# Altium PCB LPCB220R0.PcbDoc (part 3 of 4)
Units mm, origin at the board's own origin, x right, y up, seen from the top; angles counter-clockwise.
Board outline 259.35 x 183.7 mm, 4 copper layers (Top Layer, Internal Plane 1, Mid-Layer 1, Bottom Layer); 237 components, 229 nets, 1097 pads, 413 vias.
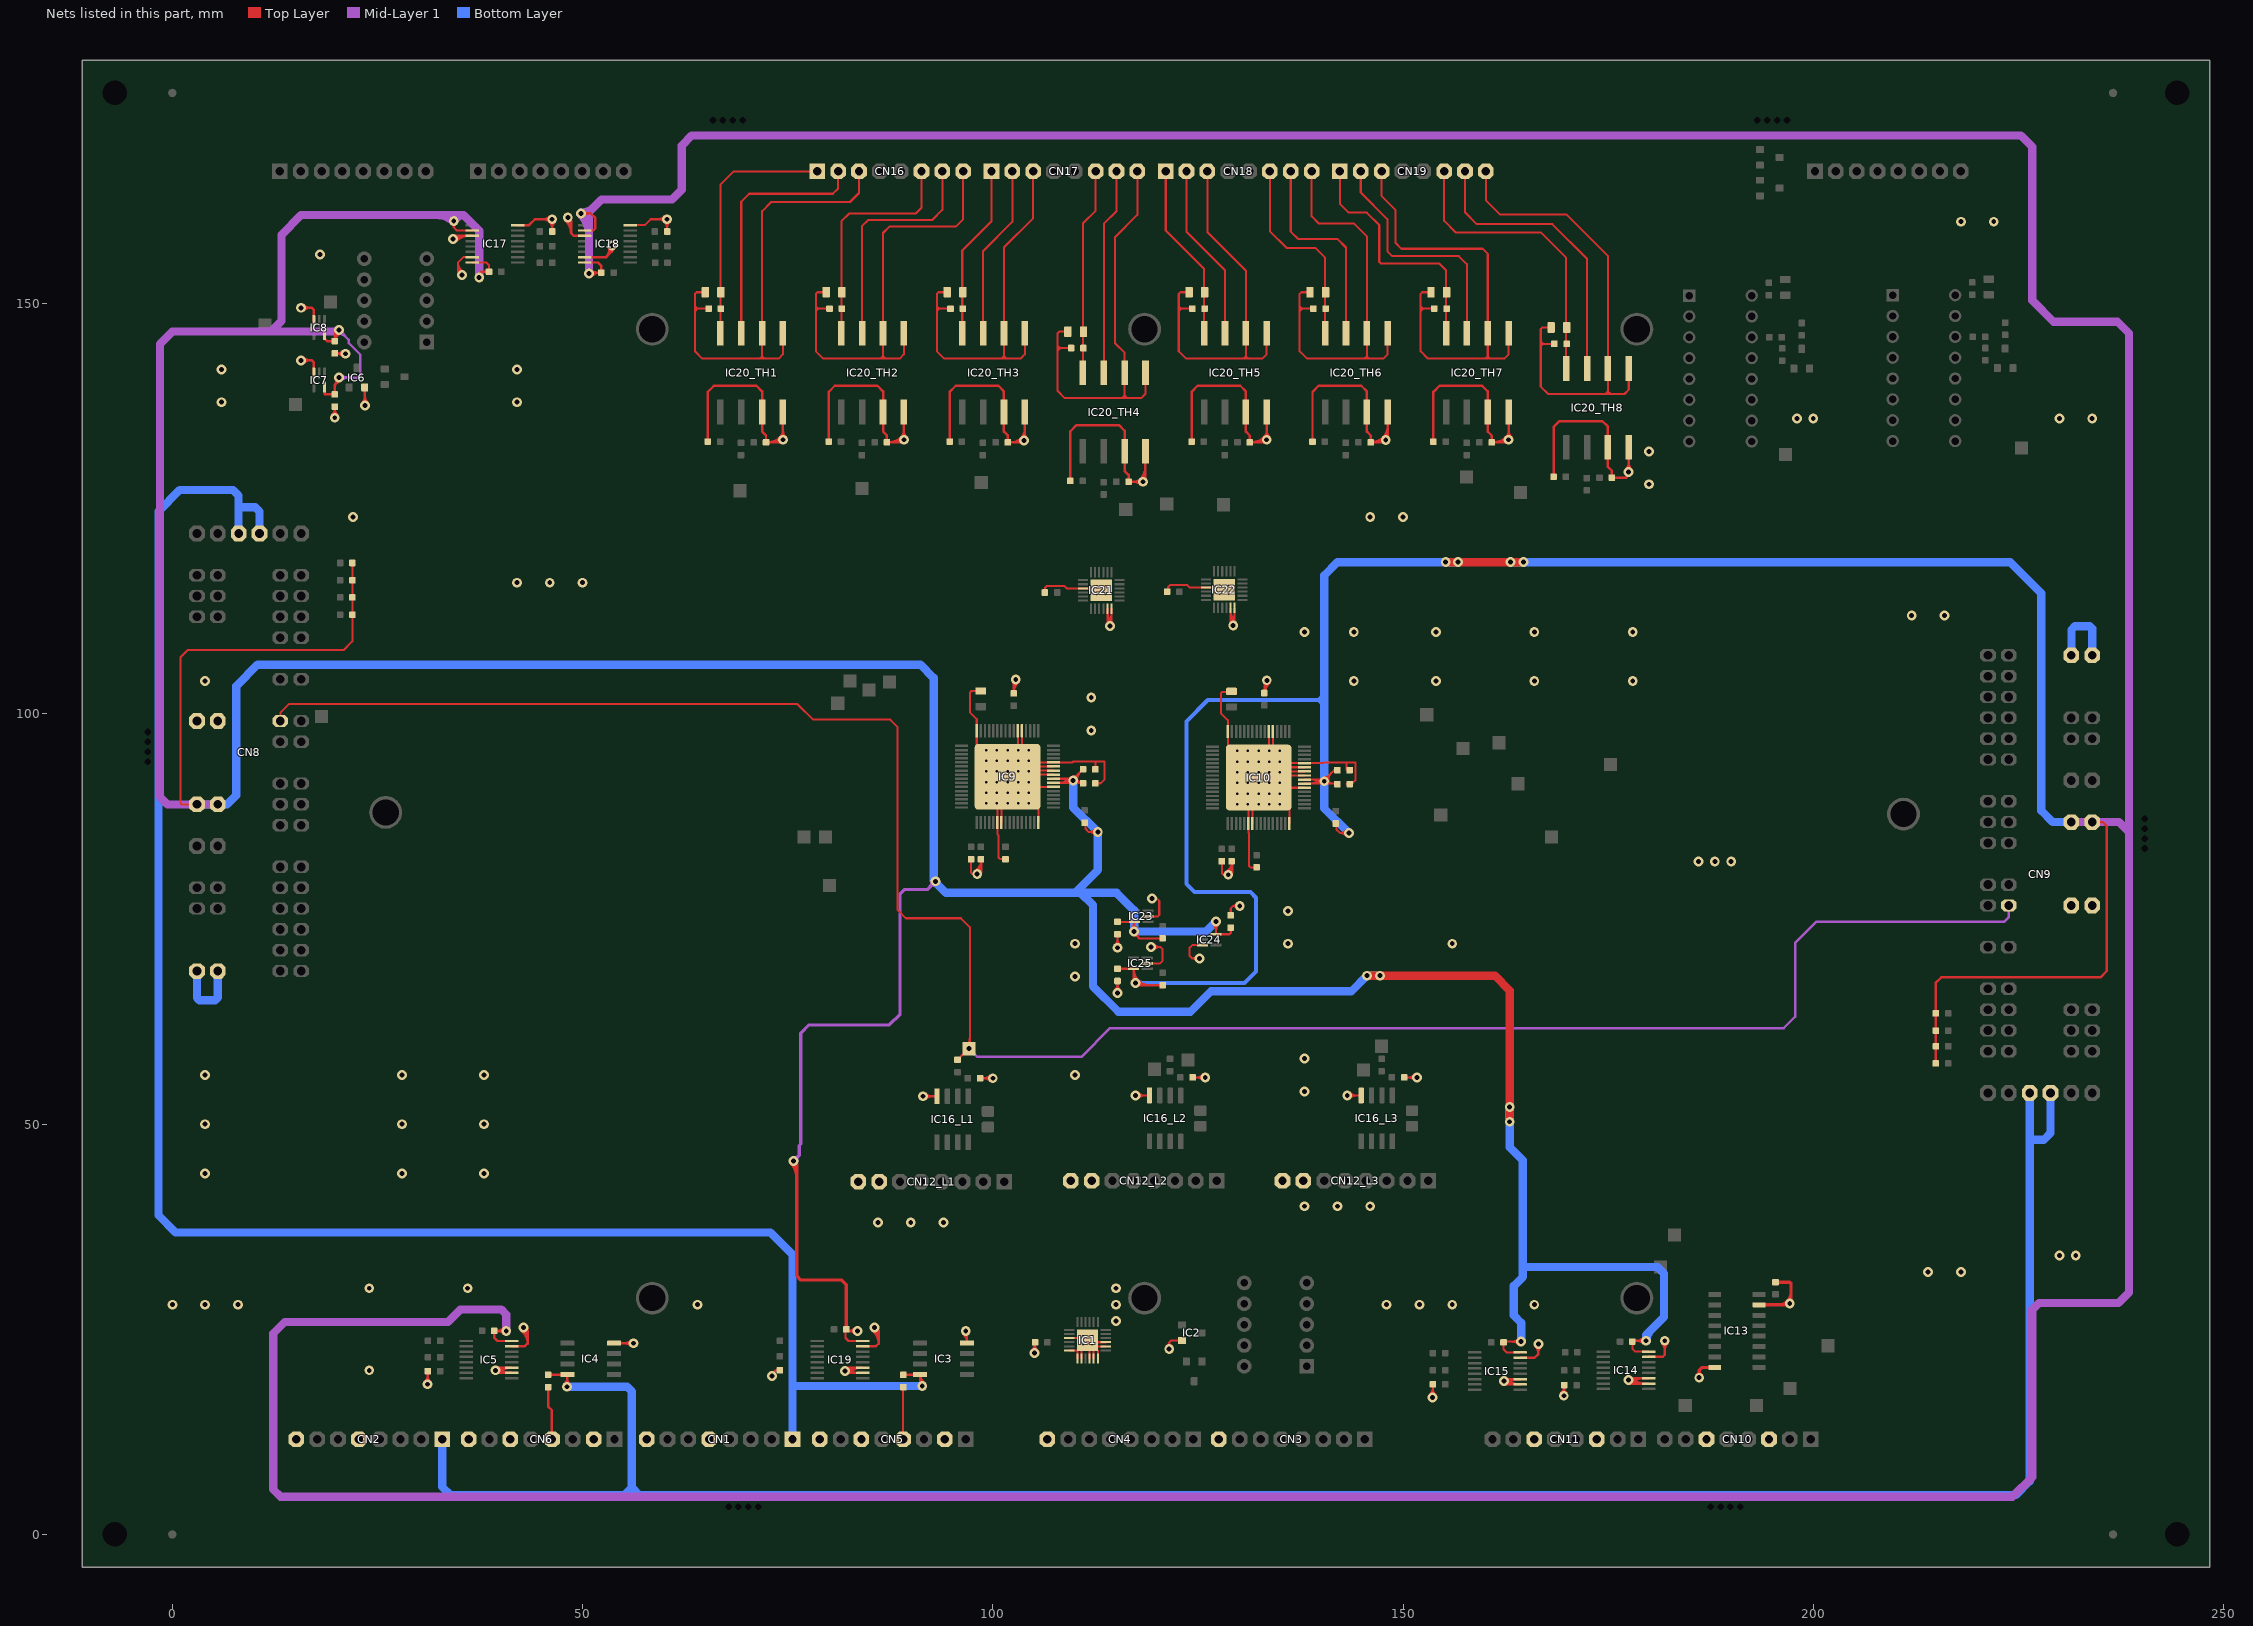
[diagram p5: the nets of this part, all layers, seen from the top]

## Via types
v1: diameter 1.2, hole 0.6, Top Layer to Bottom Layer, 341 vias
v2: diameter 0.6, hole 0.3, Top Layer to Bottom Layer, 60 vias
v3: diameter 0.5, hole 0.2, Top Layer to Bottom Layer, tented both sides, 12 vias

## Nets (pads, with @x,y where several pads share a name; then routed paths per layer and width w, separated by ;. In a path a pad name is that pad's centre, name@x,y a point inside that pad or via, vN(x,y) a via of type N, cw(c..) or ccw(c..) an arc to the next point about the centre after c; other vN are vias at no path point) (continued)
D3V3A: C2.1 C3.1 C14.1 C15.1 C28.1 C29.1 C37.1 C45.1 C54.1 C55.1 CN8.D3V31 CN8.D3V32 IC7.5 IC8.5 IC9.7 IC9.8 IC14.16 IC15.16 IC17.10 IC17.16 IC19.16 IC23.5 IC24.5 R1.2 R2.2 R3.2 R4.2 R10.2 R21.2 | length 687.3
  Top Layer w0.254: CN8.D3V31@3,88.98 1.12,88.98 1,89.1 1,106.9 1.9,107.8 20.9,107.8 21.95,108.85 R1.2@21.95,112.1 R2.2@21.95,114.2 R3.2@21.95,116.3 R4.2@21.95,118.4 ; v1@34.072,159.686 cw(c33.86,159.3) 34.3,159.3 ; v1(34.3,160.1) 34.3,159.3 ; v1@34.528,159.686 ccw(c34.74,159.3) 34.3,159.3 ; IC17.16@36.575,155.025 38.275,155.025 38.6,154.7 C37.1@38.6,153.9 37.6,153.9 37.4,153.7 v1(37.4,153.2) ; IC17.10@36.575,158.925 34.675,158.925 34.3,159.3 ; IC9.7@107.4,91.6 C14.1@110.95,91.6 ; IC9.8@107.4,92.1 109.85,92.1 C15.1@111,93.25 ; IC9.7@107.934,91.6 ccw(c107.934,93.766) 109.466,92.234 cw(c109.141,92.559) 109.141,92.1 ; IC9.8@108.175,92.1 cw(c108.175,90.275) v1@109.466,91.566 ; 108.547,91.6 ccw(c108.547,93.153) v1@109.645,92.055 ; 108.788,92.1 cw(c108.788,90.888) v1@109.645,91.745 ; 109.16,91.6 ccw(c109.16,92.54) v1@109.825,91.875 ; v1@109.8,92.373 ccw(c109.8,93.153) 110.352,92.601 ; v1@110.003,91.983 ccw(c110.572,92.215) 110.572,91.6 ; v1@110.019,91.9 cw(c110.91,91.9) 110.28,92.53 ; v1@110.238,92.079 ccw(c110.95,92.369) C14.1@110.95,91.6 ; v1@110.273,91.9 cw(c111.777,91.9) C15.1@110.713,92.963 ; C14.1@111,91.55 C14.1@110.95,91.6 ; R10.2@111.2,86.75 111.3,86.65 111.3,86 111.7,85.6 ; v1@112.457,85.275 ccw(c111.7,84.558) 111.7,85.6 ; v1@112.457,85.925 cw(c111.7,86.642) 111.7,85.6 ; v1(112.8,85.6) 111.7,85.6 ; C54.1@115.2,74.65 IC23.5@117.232,74.65 ; v1@116.898,73.834 ccw(c116.09,74.642) 117.232,74.642 ccw(c118.374,74.642) v1@117.566,73.834 ; v1@117.232,73.027 cw(c117.232,72.445) 117.643,72.857 ; IC23.5@117.262,74.68 IC23.5@117.232,74.65 ; v1@117.44,73.432 ccw(c117.897,73.283) 117.557,72.943 ; v1@117.682,73.353 ccw(c118.339,73.139) 117.85,72.65 ; R21.2@120.7,72.65 117.85,72.65 ; v1@126.866,74.366 cw(c125.998,73.498) 127.225,73.498 ; v1(127.2,74.7) 127.225,74.675 IC24.5@127.225,73.15 128.85,73.15 129,73.3 C55.1@129,73.95 ; 127.225,73.618 cw(c128.282,73.618) v1@127.534,74.366 ; v1@164.066,23.166 ccw(c163.258,22.358) 163.258,23.5 ccw(c163.258,24.642) v1@164.066,23.834 ; IC15.16@164.275,22.175 162.625,22.175 162.25,22.55 C29.1@162.25,23.4 162.35,23.5 v1(164.4,23.5) ; v1@179.266,23.266 ccw(c178.458,22.458) 178.458,23.6 ccw(c178.458,24.742) v1@179.266,23.934 ; v1(179.6,23.6) 178.05,23.6 C28.1@177.95,23.5 177.95,22.65 178.325,22.275 IC14.16@179.975,22.275 ; IC23.5@117.232,74.65 v1(117.232,73.5) 117.232,73.268 117.85,72.65
  Top Layer w0.3: IC7.5@18.55,139.875 18.55,138.95 C3.1@19.8,138.95 19.8,140.1 ; IC8.5@18.55,146.275 18.55,145.75 18.85,145.45 C2.1@19.8,145.45 19.8,146.3 ; C2.1@19.8,145.36 cw(c20.916,145.36) v1@20.477,146.386 ; C2.1@19.8,145.815 cw(c20.721,145.815) v1@20.359,146.662 ; 19.8,146.27 cw(c20.527,146.27) v1@20.241,146.938 ; v1@19.877,146.646 cw(c19.566,146.534) 19.8,146.3 ; v1@19.903,140.789 cw(c19.386,140.514) 19.8,140.1 ; v1@19.982,140.682 cw(c19.696,140.396) 20.1,140.396 ; 20.087,140.387 ccw(c19.76,140.713) v1@20.168,140.93 ; v1@20.146,146.377 ccw(c20.034,146.066) 19.8,146.3 ; v1(20.3,146.8) 19.8,146.3 ; v1@20.5,141 v1(20.3,141) 20.1,141 20.1,140.4 19.8,140.1 ; v1@83.182,24.482 ccw(c82.414,23.714) 82.414,24.8 ccw(c82.414,25.886) v1@83.182,25.118 ; v1(83.5,24.8) 82.05,24.8 82.05,23.95 82.425,23.575 IC19.16@84.175,23.575
  Top Layer w0.4: v1@75.417,45.217 cw(c73.769,43.569) 76.1,43.569 ; 76.1,44.534 ccw(c74.734,44.534) v1(75.7,45.5) 76.1,45.1 76.1,31.5 76.6,31 81.6,31 82.15,30.45 C45.1@82.15,25
  Top Layer w1: v1(145.6,68.1) v1(147.2,68.1) 161.2,68.1 163,66.3 v1(163,52.1) v1(163,50.3)
  Mid-Layer 1 w0.3: v1(20.3,141) 22.6,141 22.9,141.3 22.9,143.8 21.5,145.2 21.5,145.6 v1(20.3,146.8) ; v1@20.3,146.35 cw(c20.3,145.264) 21.068,146.032 cw(c21.836,146.8) v1@20.75,146.8 ; v1@20.618,140.682 cw(c21.386,139.914) 21.386,141 cw(c21.386,142.086) v1@20.618,141.318
  Mid-Layer 1 w0.4: v1(75.7,45.5) 76.4,46.2 76.4,47.4 76.6,47.6 76.6,61.1 77.6,62.1 87.4,62.1 88.7,63.4 88.7,78.1 89.2,78.6 92,78.6 v1(93,79.6) ; v1@75.7,45.9 ccw(c75.7,46.866) 76.383,46.183 ccw(c77.066,45.5) v1@76.1,45.5 ; v1@92.6,79.6 cw(c91.634,79.6) 92.317,78.917 cw(c93,78.234) v1@93,79.2
  Mid-Layer 1 w1: CN8.D3V32@5.54,88.98 CN8.D3V31@3,88.98 -0.58,88.98 -1.5,89.9 -1.5,145.1 0,146.6 12,146.6 ; 19.576,146.6 ccw(c19.576,147.524) v1@20.229,146.871 ; v1(20.3,146.8) 20.1,146.6 12,146.6 ; 32.369,160.8 cw(c32.369,158.169) v1@34.229,160.029 ; v1@34.392,160.062 cw(c35.5,159.6) 35.5,160.8 ; v1(37.4,153.2) 37.4,158.9 35.5,160.8 15.7,160.8 13.3,158.4 13.3,147.9 12,146.6
  Bottom Layer w1: CN8.D3V31@3,88.98 CN8.D3V32@5.54,88.98 6.68,88.98 7.8,90.1 7.8,103.4 10.4,106 91.2,106 92.8,104.4 92.8,79.7 94.3,78.2 110,78.2 ; 92.8,80.324 ccw(c93.724,80.324) v1@93.071,79.671 ; v1(109.8,91.9) 109.8,88.6 v1(112.8,85.6) 112.8,81 110,78.2 ; v1(127.2,74.7) 126,73.5 v1(117.232,73.5) 117.232,76.068 115.1,78.2 110.7,78.2 ; v1@146.9,68.1 v1(145.6,68.1) 143.7,66.2 126.6,66.2 124.1,63.7 115.3,63.7 112.2,66.8 112.2,76.7 110.7,78.2 ; v1(163,52.1) v1(163,50.3) 163,47.2 164.6,45.6 164.6,32.6 ; v1(164.4,23.5) 164.4,25.8 163.5,26.7 163.5,30.3 164.6,31.4 164.6,32.6 ; v1(179.6,23.6) 179.6,24.3 181.8,26.5 181.8,31.8 181,32.6 164.6,32.6 ; v1@179.7,23.6 cw(c181.631,23.6) 180.266,24.966 ; 110,78.2 110.7,78.2
D3V3B: C9.1 C24.1 C25.1 C41.1 C56.1 CN9.D3V31 CN9.D3V32 IC5.16 IC10.7 IC10.8 IC18.10 IC18.16 IC25.5 R6.2 R7.2 R8.2 R9.2 R11.2 R22.2 | length 992.8
  Top Layer w0.254: IC10.7@138,91.5 141.55,91.5 cw(c141.55,92.269) v1@140.838,91.979 ; IC10.8@138,92 140.45,92 C25.1@141.6,93.15 ; IC10.7@138.534,91.5 ccw(c138.534,93.666) 140.066,92.134 cw(c139.741,92.459) 139.741,92 ; IC10.8@138.775,92 cw(c138.775,90.175) v1@140.066,91.466 ; 139.147,91.5 ccw(c139.147,93.053) v1@140.245,91.955 ; 139.388,92 cw(c139.388,90.788) v1@140.245,91.645 ; 139.76,91.5 ccw(c139.76,92.44) v1@140.425,91.775 ; v1@140.4,92.273 ccw(c140.4,93.053) 140.952,92.501 ; v1@140.603,91.883 ccw(c141.172,92.115) 141.172,91.5 ; v1@140.619,91.8 cw(c141.51,91.8) 140.88,92.43 ; v1@140.873,91.8 cw(c142.377,91.8) 141.313,92.863 ; R11.2@141.9,86.55 141.9,85.9 142.3,85.5 ; v1@143.057,85.175 ccw(c142.3,84.458) 142.3,85.5 ; v1@143.057,85.825 cw(c142.3,86.542) 142.3,85.5 ; v1(143.4,85.5) 142.3,85.5
  Top Layer w0.3: v1@40.382,24.482 ccw(c39.614,23.714) 39.614,24.8 ccw(c39.614,25.886) v1@40.382,25.118 ; v1(40.7,24.8) C9.1@39.25,24.8 39.25,23.95 39.625,23.575 IC5.16@41.375,23.575 ; v1(49.8,161) 51,161 51.563,160.437 51.563,159.2 51.288,158.925 IC18.10@50.275,158.925 ; v1@50.118,160.682 cw(c50.886,159.914) 50.886,161 cw(c50.886,162.086) v1@50.118,161.318 ; IC18.16@50.275,155.025 51.875,155.025 52.3,154.6 C41.1@52.3,153.8 50.9,153.8 v1(50.8,153.7) ; v1@50.906,153.594 cw(c51.404,153.096) 51.404,153.8 ; v1@51.118,153.382 cw(c52.128,152.372) C41.1@52.128,153.8 ; v1@51.118,154.018 ccw(c51.645,154.545) 51.645,153.8 ; C56.1@115.2,68.95 IC25.5@117.175,68.95 117.175,67.325 117.55,66.95 R22.2@120.7,66.95 ; 117.175,68.105 ccw(c118.305,68.105) 117.506,67.306 ccw(c118.366,68.166) 118.366,66.95 ; IC25.5@117.175,68.83 ccw(c119.03,68.83) 117.718,67.518 ccw(c119.09,68.89) 119.09,66.95 ; R9.2@214.95,57.4 R8.2@214.95,59.5 R7.2@214.95,61.4 R6.2@214.95,63.5 214.95,67.25 215.6,67.9 235,67.9 235.8,68.7 235.8,86.3 235.28,86.82 CN9.D3V31@234,86.82
  Top Layer w1: v1@155.1,118.5 v1(155.2,118.5) v1(156.7,118.5) v1(163.1,118.5) v1(164.7,118.5)
  Mid-Layer 1 w0.3: v1(49.8,161) 50.6,161 ; v1@50.185,160.766 cw(c50.6,160.514) 50.6,161 ; v1@50.185,161.234 ccw(c50.6,161.486) 50.6,161 ; 50.8,161.2 50.6,161
  Mid-Layer 1 w1: v1(40.7,24.8) 40.7,26.8 40.1,27.4 35.1,27.4 33.6,25.9 13.7,25.9 12.3,24.5 12.3,5.5 13.2,4.6 224.3,4.6 226.7,7 226.7,27.4 227.5,28.2 237.2,28.2 238.5,29.5 238.5,85.6 ; v1@49.729,160.929 cw(c47.144,158.344) 50.8,158.344 ; v1@49.8,161.1 ccw(c49.8,163.273) 51.336,161.736 ; v1@49.852,161.086 ccw(c50.253,161.747) 50.8,161.2 ; v1(50.8,153.7) 50.8,161.2 ; CN9.D3V32@231.46,86.82 CN9.D3V31@234,86.82 237.28,86.82 238.5,85.6 ; 50.8,161.2 52.3,162.7 60.9,162.7 62.1,163.9 62.1,169.3 63.3,170.5 225.3,170.5 226.7,169.1 226.7,150.4 229.3,147.8 237.1,147.8 238.5,146.4 238.5,85.6
  Bottom Layer w0.5: v1(117.4,67.2) 130.7,67.2 132.1,68.6 132.1,77.6 131.4,78.3 124.6,78.3 123.6,79.3 123.6,99.1 126.2,101.7 139.7,101.7 ; v1@117.647,66.953 cw(c118.245,66.355) 118.245,67.2 cw(c118.245,68.045) v1@117.647,67.447 ; 140.4,100.8 140.4,101 139.7,101.7 ; 140.4,101.7 139.7,101.7 ; 140.4,102.4 139.7,101.7
  Bottom Layer w1: 140.4,100.8 v1(140.4,91.8) 140.4,88.5 v1(143.4,85.5) ; 140.4,101 140.4,101.7 140.4,102.4 140.4,116.9 142,118.5 v1(155.2,118.5) v1(156.7,118.5) ; v1(163.1,118.5) v1(164.7,118.5) 224,118.5 227.8,114.7 227.8,88.2 229.18,86.82 CN9.D3V32@231.46,86.82 CN9.D3V31@234,86.82
D12VA: C7.1 CN1.1 CN8.D12V1 CN8.D12V2 IC3.8 | length 230.4
  Top Layer w0.3: C7.1@89.1,19.45 91.105,19.45 IC3.8@91.15,19.495 ; 91.15,18.897 ccw(c91.994,18.897) v1@91.49,18.22 ; v1(91.4,18.1) 91.1,18.1 91.15,18.15 IC3.8@91.15,19.495 ; v1@91.669,18.461 cw(c92.44,19.495) IC3.8@91.15,19.495
  Bottom Layer w1: CN8.D12V2@8.08,122 8.08,125.2 ; CN8.D12V1@10.62,122 10.62,124.68 10.1,125.2 8.08,125.2 ; CN1.1@75.59,11.6 75.59,18 ; v1(91.4,18.1) 75.69,18.1 75.59,18 ; 8.08,125.2 8.08,126.62 7.4,127.3 0.9,127.3 -1.7,124.7 -1.7,38.9 0.4,36.8 72.9,36.8 75.59,34.11 75.59,18
D12VB: C8.1 CN2.1 CN9.D12V1 CN9.D12V2 IC4.8 | length 284.4
  Top Layer w0.3: C8.1@45.8,19.45 48.105,19.45 IC4.8@48.15,19.495 48.15,18.05 v1(48.1,18) ; v1@47.782,18.318 ccw(c46.893,19.207) IC4.8@48.15,19.207 ; 48.15,18.966 ccw(c49.066,18.966) v1@48.418,18.318
  Bottom Layer w1: CN2.1@32.89,11.6 32.89,5.81 33.9,4.8 55.1,4.8 ; v1(48.1,18) 55.4,18 56,17.4 56,5.7 ; CN9.D12V1@226.38,53.8 226.38,48.1 ; CN9.D12V2@228.92,53.8 228.92,48.92 228.1,48.1 226.38,48.1 ; 55.1,4.8 56,5.7 ; 55.1,4.8 56,4.8 ; 56,4.8 56,5.7 ; 56,4.8 56.9,4.8 ; 56,5.7 56.9,4.8 ; 56.9,4.8 224.7,4.8 226.38,6.48 226.38,48.1
DGND: C1.2 C2.2 C3.2 C4.2 C5.2 C6.2 C7.2 C8.2 C12.2 C13.2 C14.2 C15.2 C16.1 C17.2 C18.2 C19.2 C20.2 C24.2 C25.2 C26.1 C27.2 C34.2 C35.2 C36_L1.2 C36_L2.2 C36_L3.2 C40.2 C44.2 C48.2 C51_TH1.2 C51_TH2.2 C51_TH3.2 C51_TH4.2 C51_TH5.2 C51_TH6.2 C51_TH7.2 C51_TH8.2 C52.2 C53.2 C54.2 C55.2 C56.2 CN1.5 CN1.8 CN2.5 CN2.8 CN3.8 CN4.8 CN5.2 CN5.4 CN5.6 CN5.8 CN6.2 CN6.4 CN6.6 CN6.8 CN8.GND1 CN8.GND2 CN8.GND3 CN8.GND4 CN9.GND1 CN9.GND2 CN9.GND3 CN9.GND4 CN10.3 CN10.6 CN11.3 CN11.6 CN12_L1.7 CN12_L1.8 CN12_L2.7 CN12_L2.8 CN12_L3.7 CN12_L3.8 IC1.1 IC1.2 IC1.4 IC1.5 IC1.6 IC1.8 IC1.9 IC1.21 IC1.24 IC1.PAD IC2.2 IC3.4 IC4.4 IC5.10 IC5.11 IC5.15 IC6.2 IC7.3 IC8.3 IC9.6 IC9.9 IC9.10 IC9.11 IC9.12 IC9.21 IC9.22 IC9.32 IC9.54 IC9.55 IC9.64 IC9.PAD IC10.6 IC10.9 IC10.10 IC10.11 IC10.12 IC10.21 IC10.22 IC10.32 IC10.54 IC10.55 IC10.64 IC10.PAD IC13.8 IC13.15 IC14.10 IC14.11 IC14.15 IC15.10 IC15.11 IC15.15 IC16_L1.4 IC16_L2.4 IC16_L3.4 IC17.8 IC17.11 IC17.15 IC18.8 IC18.11 IC18.15 IC19.10 IC19.11 IC19.15 IC20_TH1.3 IC20_TH1.4 IC20_TH2.3 IC20_TH2.4 IC20_TH3.3 IC20_TH3.4 IC20_TH4.3 IC20_TH4.4 IC20_TH5.3 IC20_TH5.4 IC20_TH6.3 IC20_TH6.4 IC20_TH7.3 IC20_TH7.4 IC20_TH8.3 IC20_TH8.4 IC21.5 IC21.6 IC21.21 IC21.PAD IC22.5 IC22.6 IC22.21 IC22.PAD IC23.2 IC24.3 IC25.2 R20_TH1.1 R20_TH2.1 R20_TH3.1 R20_TH4.1 R20_TH5.1 R20_TH6.1 R20_TH7.1 R20_TH8.1 | length 798.7